# Altium PCB PCB1.PcbDoc (part 1 of 2)
Units mm, origin at the board's own origin, x right, y up, seen from the top; angles counter-clockwise.
Board outline 101.35 x 80.26 mm, 2 copper layers (Top Layer, Bottom Layer); 77 components, 109 nets, 309 pads, 77 vias.
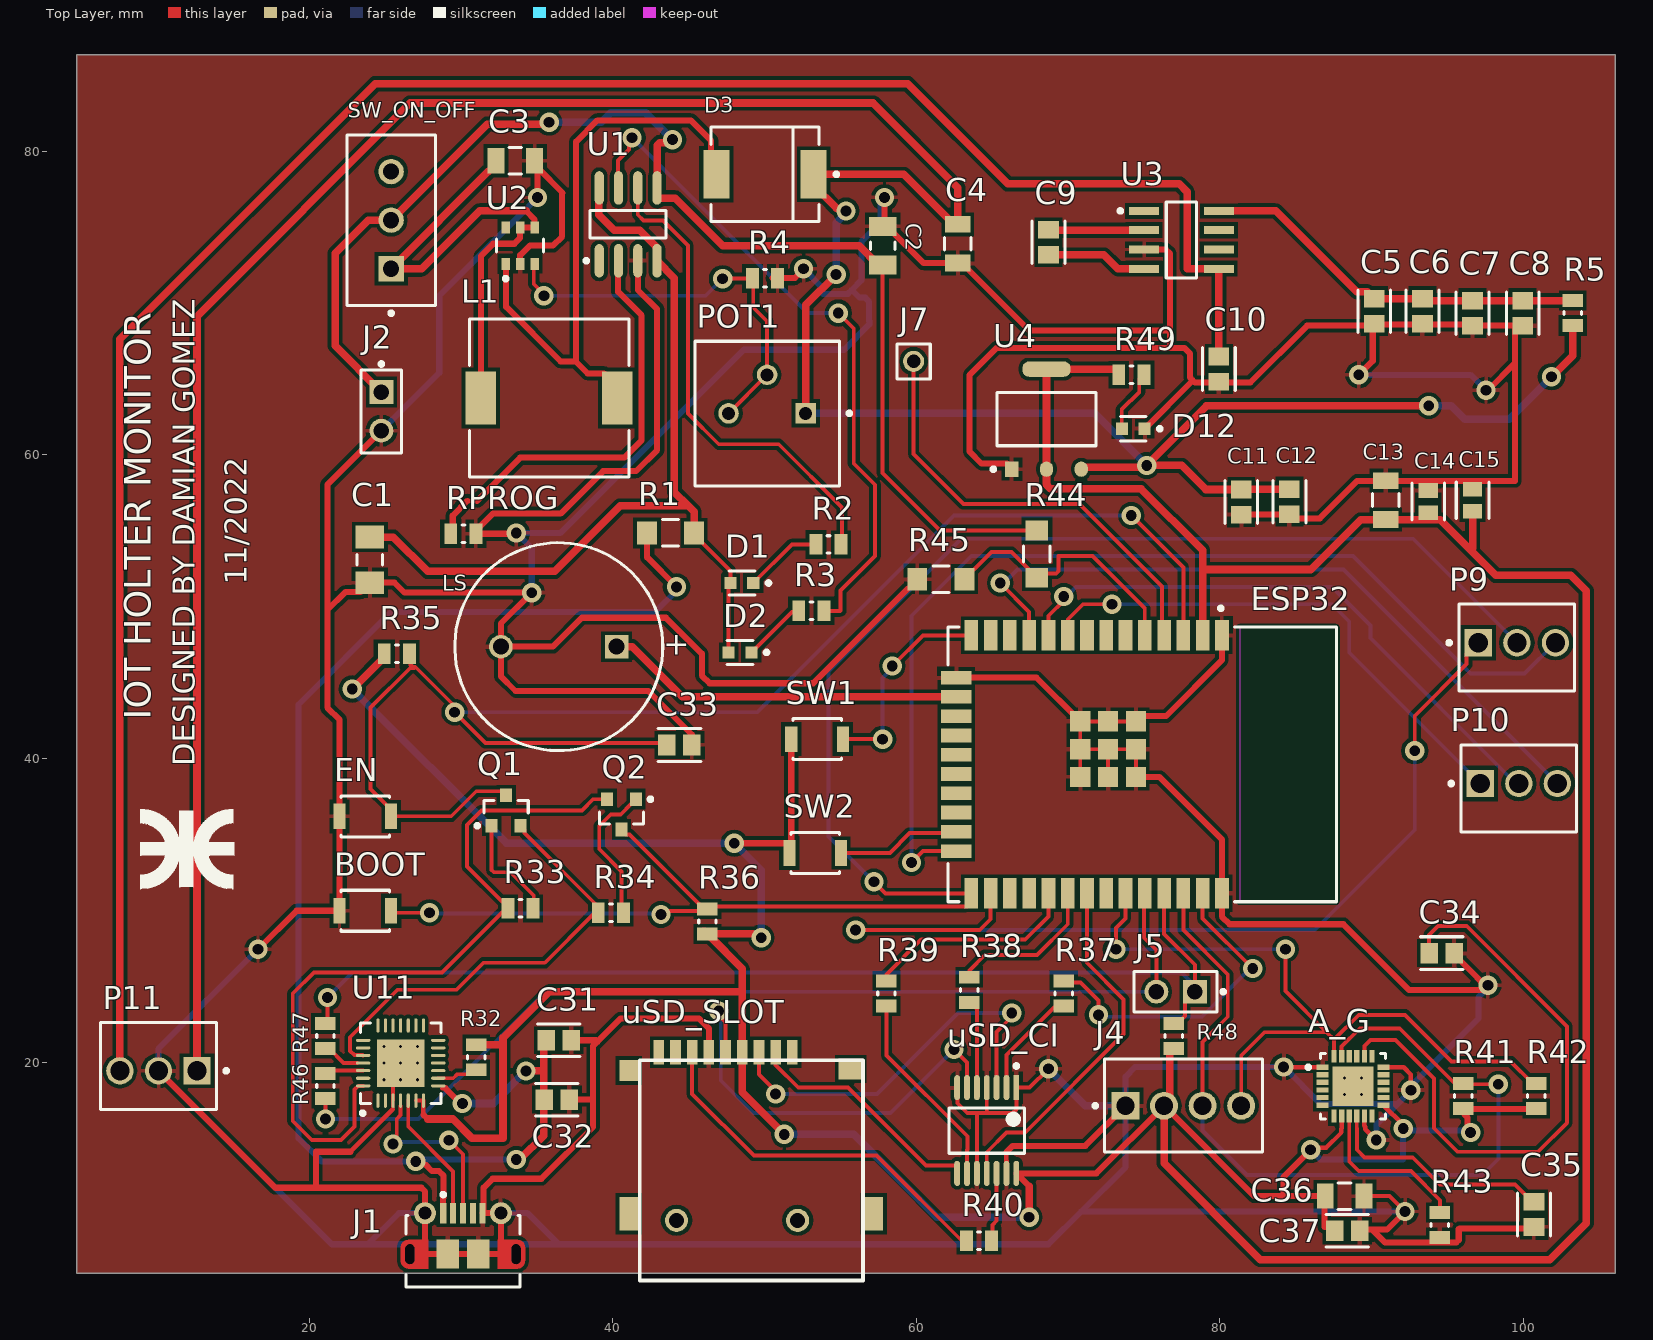
[diagram p0: Top Layer view]
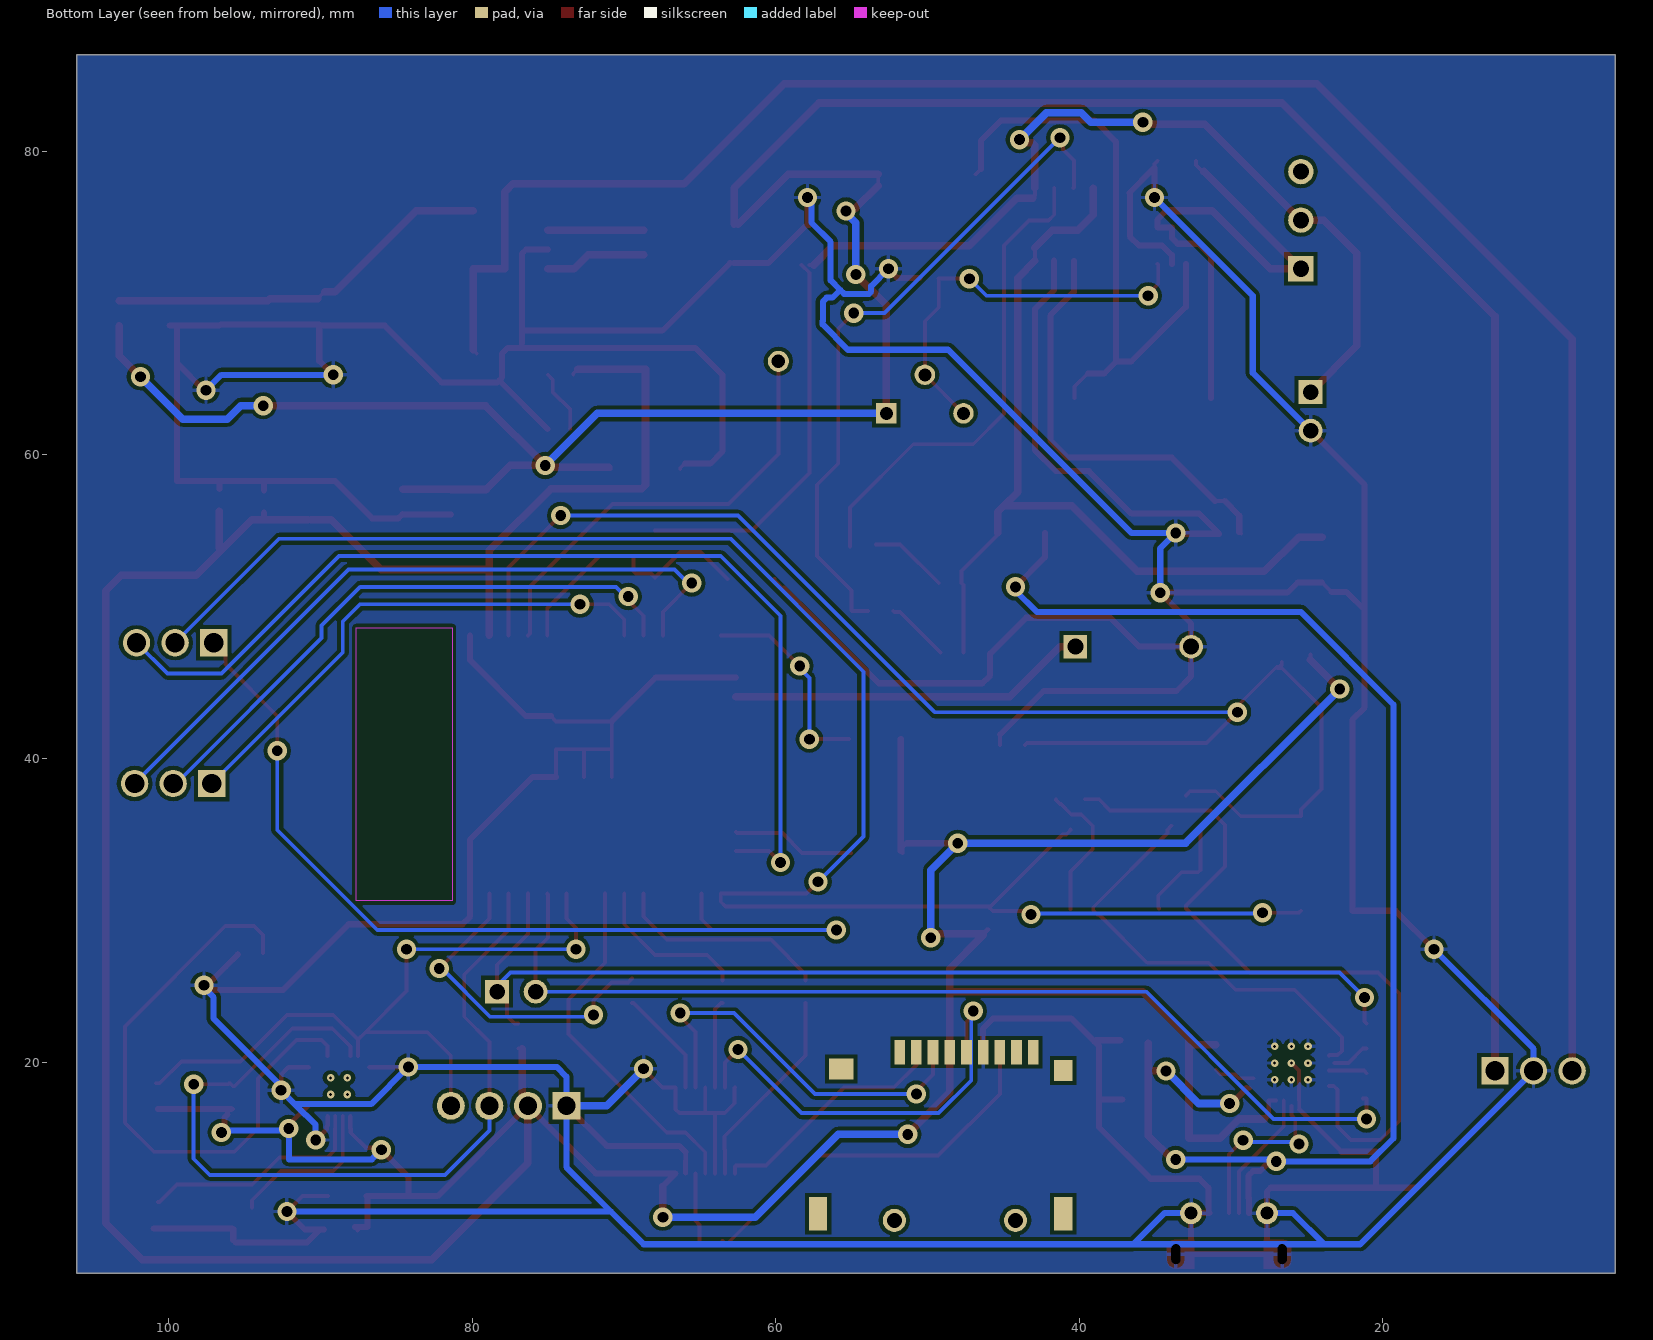
[diagram p1: Bottom Layer view, seen from below]
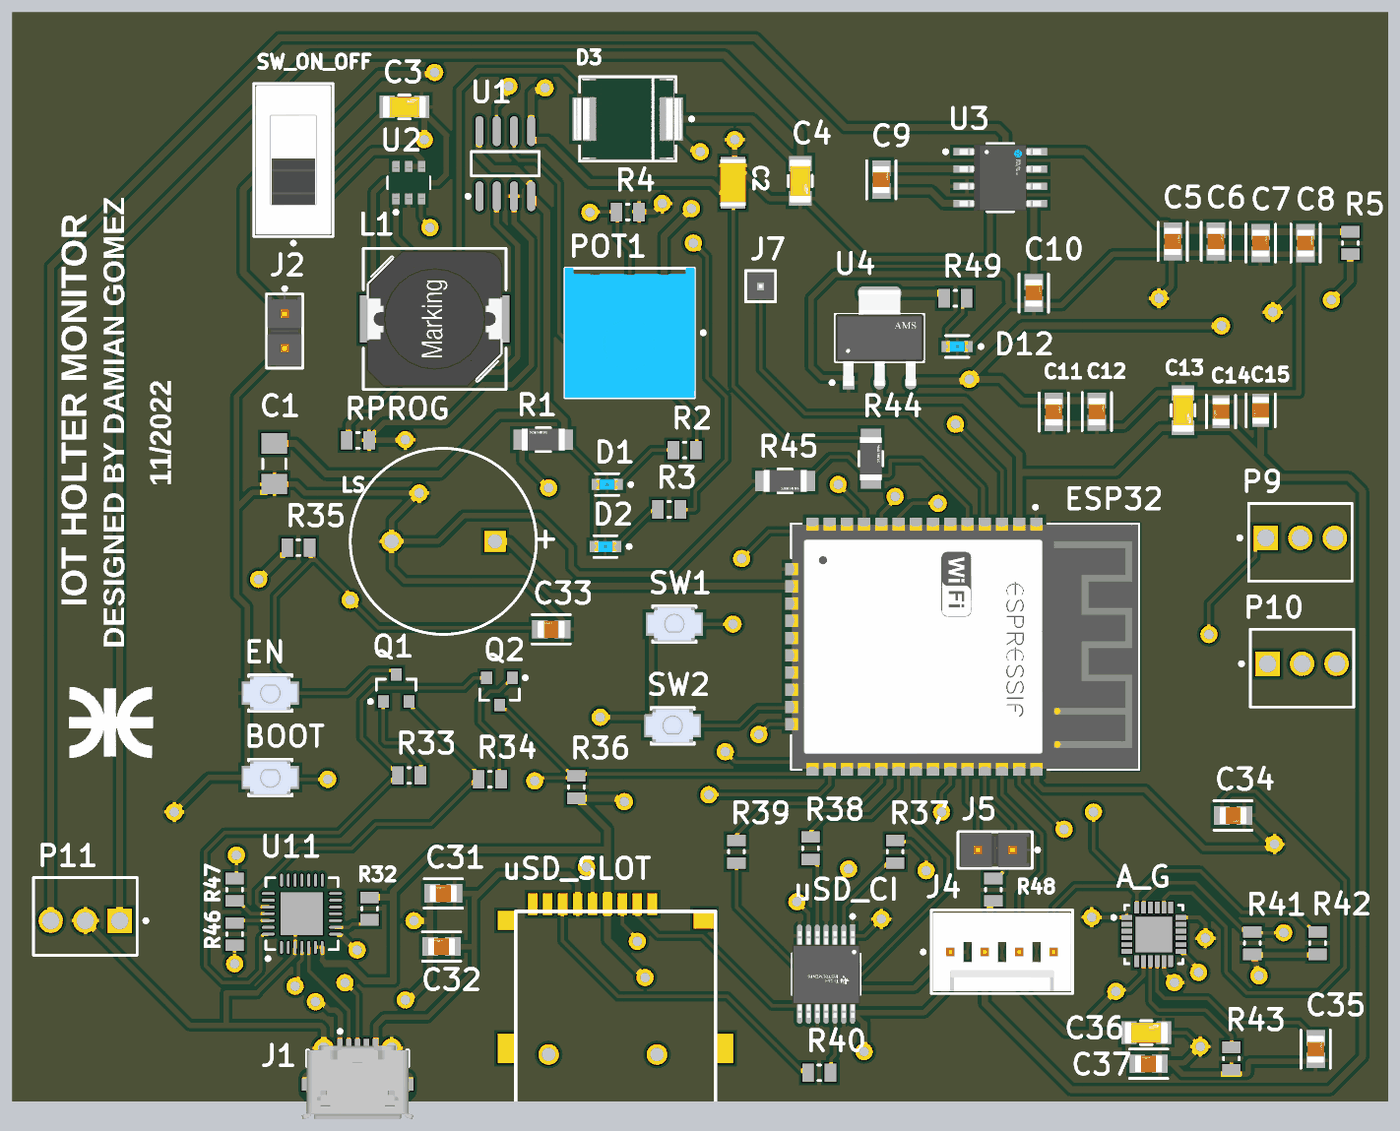
[diagram p3: 3D render of the assembled board from above, using the file's embedded part models]

## Layer stack, top to bottom
Top Solder: solder mask 0.0102, Solder Resist, Dk 3.5
Top Layer: signal copper 0.0356
Dielectric 1: dielectric 0.32, FR-4, Dk 4.8
Bottom Layer: signal copper 0.0356
Bottom Solder: solder mask 0.0102, Solder Resist, Dk 3.5

## Board outline
4.699,6.096 106.045,6.096 106.045,86.36 4.699,86.36

## Design rules (kind name [scope] priority, off if disabled: settings)
Clearance Clearance_1 [All] p1: gap=0.254 ignorepadtopadclearanceinfootprint=FALSE except(0: Arc-Hole Track-Hole SMDPad-Hole THPad-Hole Via-Hole Fill-Hole Poly-Hole Region-Hole Text-Hole)
Clearance GND_Power [InNamedPolygon('POWER-GND')] p2: gap=0.6 ignorepadtopadclearanceinfootprint=FALSE
PolygonConnect [All] p1: connectstyle=Relief reliefconductorwidth=0.254 reliefentries=4 polygonreliefangle="90 Angle" airgapwidth=0.254
RoutingVias [All] p1: holewidth=0.711 width=1.27 viastyle="Through Hole" minholewidth=0.711 minwidth=1.27 maxholewidth=0.711 maxwidth=1.27
SolderMaskExpansion [All] p1: expansion=0.102
Width [All] p1: maxlimit=0.5 minlimit=0.254 preferedwidth=0.254 minimp=50.000000 maximp=50.000000 favimp=50.000000
30 further rules are at their usual default settings.

## Classes and differential pairs
component class Digitalización: A_G BOOT C31 C32 C33 C34 C35 C36 C37 EN J4 J5 J7 LS P9 P10 P98 Q1 Q2 R32 R33 R34 R35 R36 R37 R38 R39 R40 R41 R42 R43 R44 R45 R46 R47 R48 SW1 SW2 U11 uSD_CI uSD_SLOT
component class Alimentacion: 1 C1 C2 C3 C4 C13 C15 D1 D2 D3 D12 J1 J2 L1 P11 POT1 R1 R49 SW_ON_OFF U1 U2 U3 U4

## Components (designator, comment, footprint, x,y, rotation, side; value= is the part's Value field where it differs from the comment)
A_G "MPU-6050" IS-QFN-24_V 88.773,18.415 r0 top
BOOT "B3U-1000P" FP-B3U-1000P-MFG 23.708,29.972 r0 top
C1 "10u" KEMT-1206-2_M 24.003,53.086 r90 top
C2 "10u" CAPC3216X190X55LL30T25 57.785,73.787 r270 top
C3 "100n" FP-CL31-IPC_C 33.583,79.375 r0 top
C4 "100n" FP-CL31-IPC_C 62.738,73.914 r270 top
C5 "GRM2165C1H332JA01D" FP-GRM216-0_1-IPC_B 90.17,69.469 r90 top
C6 "GRM2165C1H332JA01D" FP-GRM216-0_1-IPC_B 93.345,69.469 r90 top
C7 "GRM2165C1H332JA01D" FP-GRM216-0_1-IPC_B 96.647,69.342 r90 top
C8 "GRM2165C1H332JA01D" FP-GRM216-0_1-IPC_B 99.949,69.342 r90 top
C9 "10u" FP-GRM216-0_1-IPC_B 68.707,74.011 r90 top
C10 "GRM2165C1H332JA01D" FP-GRM216-0_1-IPC_B 79.935,65.659 r90 top
C11 "GRM2165C1H332JA01D" FP-GRM216-0_1-IPC_B 81.407,56.896 r90 top
C12 "GRM2165C1H332JA01D" FP-GRM216-0_1-IPC_B 84.582,56.924 r90 top
C13 "10uF" FP-CL31-IPC_C 90.932,57.023 r270 top
C14 "GRM2165C1H332JA01D" FP-GRM216-0_1-IPC_C 93.726,56.931 r270 top
C15 "GRM2165C1H332JA01D" FP-GRM216-0_1-IPC_C 96.647,57.023 r270 top
C31 "GRM2165C1H332JA01D" FP-GRM216-0_1-IPC_B 36.449,21.439 r180 top
C32 "GRM2165C1H332JA01D" FP-GRM216-0_1-IPC_B 36.322,17.526 r180 top
C33 "GRM2165C1H332JA01D" FP-GRM216-0_1-IPC_B 44.397,40.894 r180 top
C34 "GRM2165C1H332JA01D" FP-GRM216-0_1-IPC_B 94.615,27.178 r0 top
C35 "GRM2165C1H332JA01D" FP-GRM216-0_1-IPC_B 100.699,9.968 r90 top
C36 "10uF" FP-CL31-IPC_C 88.223,11.176 r0 top
C37 "GRM2165C1H332JA01D" FP-GRM216-0_1-IPC_B 88.392,8.89 r180 top
D1 "BLUE" FP-LTST-C191TBKT-MFG 48.514,51.562 r180 top
D2 "RED" FP-LTST-C191TBKT-MFG 48.387,46.99 r180 top
D3 "SS34" FP-95402-MFG 50.038,78.486 r180 top
D12 "BLUE" FP-LTST-C191TBKT-MFG 74.295,61.722 r180 top
EN "B3U-1000P" FP-B3U-1000P-MFG 23.708,36.195 r0 top
ESP32 "ESP32-WROOM-32D" FP-ESP32-WROOM-32D-MFG 74.877,39.615 r270 top (schematic designator MD)
J1 "105017-0001" USB-MICRO-B_V 30.139,8.699 r0 top
J2 "TSW-102-07-L-S" FP-TSW-102-07-L-S-MFG 24.765,62.865 r270 top
J4 "22-29-2041" FP-22-29-2041-MFG 77.597,17.145 r180 top
J5 "TSW-102-07-L-S" FP-TSW-102-07-L-S-MFG 77.089,24.638 r180 top
J7 "TMM-101-01-T-S" FP-TMM-101-01-T-S-MFG 59.823,66.167 r0 top
L1 "330u" "WE-PD 1050" 35.814,63.754 r0 top
LS "KPEG242" KINGS-KPEG242-2 36.449,47.371 r180 top
P9 "640456-3" TECO-640456-3 99.568,47.625 r180 top
P10 "640456-3" TECO-640456-3 99.695,38.354 r180 top
P11 "640456-3" TECO-640456-3 10.079,19.426 r0 top
POT1 "3386P-1-104LF" BOUR-3386P 50.177,64.008 r180 top
Q1 "MMBTA42LT1G" ONSC-SOT-23-3-318-08_V 32.979,36.576 r90 top
Q2 "MMBTA42LT1G" ONSC-SOT-23-3-318-08_V 40.587,36.322 r270 top
R1 "0.4" FP-RC3216-MFG 43.815,54.864 r180 top
R2 "1k" RESC2013X50X30LL20T20 54.229,54.102 r180 top
R3 "1k" RESC2013X50X30LL20T20 53.086,49.726 r180 top
R4 "2.2k" RESC2013X50X30LL20T20 50.038,71.628 r180 top
R5 "10k" RESC2013X50X30LL20T20 103.251,69.342 r90 top
R32 "4.7k" RESC2013X50X30LL20T20 31.018,20.32 r270 top
R33 "10k" RESC2013X50X30LL20T20 33.929,30.126 r0 top
R34 "10k" RESC2013X50X30LL20T20 39.878,29.845 r0 top
R35 "10k" RESC2013X50X30LL20T20 25.781,46.904 r0 top
R36 "10k" RESC2013X50X30LL20T20 46.247,29.274 r90 top
R37 "3.3k" RESC2013X50X30LL20T20 69.723,24.511 r270 top
R38 "3.3k" RESC2013X50X30LL20T20 63.5,24.765 r270 top
R39 "3.3k" RESC2013X50X30LL20T20 58.039,24.511 r270 top
R40 "3.3k" RESC2013X50X30LL20T20 64.135,8.228 r0 top
R41 "2.2k" RESC2013X50X30LL20T20 96.031,17.78 r90 top
R42 "2.2k" RESC2013X50X30LL20T20 100.838,17.78 r90 top
R43 "4.7k" RESC2013X50X30LL20T20 94.488,9.271 r90 top
R44 "1M" FP-RC3216-MFG 67.945,53.467 r90 top
R45 "1M" FP-RC3216-MFG 61.621,51.816 r0 top
R46 "1k" RESC2013X50X30LL20T20 21.082,18.439 r270 top
R47 "1k" RESC2013X50X30LL20T20 21.082,21.717 r90 top
R48 "10k" RESC2013X50X30LL20T20 76.962,21.717 r90 top
R49 "1k" RESC2013X50X30LL20T20 74.168,65.278 r0 top
RPROG "1.2k" RESC2013X50X30LL20T20 30.162,54.809 r180 top
SW1 "B3U-1000P" FP-B3U-1000P-MFG 53.467,41.275 r180 top
SW2 "B3U-1000P" FP-B3U-1000P-MFG 53.34,33.782 r180 top
SW_ON_OFF "ON-OFF" FP-1825115-1-MFG 25.408,75.463 r90 top
U1 "TP4056" LT-S8-8_N 41.021,75.19 r90 top
U2 "MT3608" FP-SOT26_SC74R-MFG 33.909,73.787 r90 top
U3 "ICL7660" FP-S8-4-MFG 77.47,74.168 r0 top
U4 "LM1117" FP-AMS1117-IPC_C 68.58,62.357 r90 top
U11 "CP2102" SLAB-QFN-28-3125x3125TP_M 26.035,19.939 r90 top
uSD_CI "SN74LVC125APWR" FP-PW0014A-IPC_B 64.643,15.494 r270 top
uSD_SLOT "uSD_TFP09-2-12BComponent_1" TF09-2-12B 49.137,12.873 r180 top

## Footprints (in the part's own frame and the unit in brackets; to place one, negate y for a bottom-side part, rotate by r counter-clockwise, add the part's x,y. Pads: shape width x height; smd on the part's side, far side on the other; paste and mask are expansions set on the pad)
BOUR-3386P [mm] "THD, 3-Leads, Body 9.53x9.53mm, Pitch 2.54mm"
  rect 1.35x1.35 hole 0.85: 1(-2.54,1.27)
  round 1.35 hole 0.85: 2(0,-1.27) 3(2.54,1.27)
  silkscreen extent -5.54,-3.48 4.76,6.05, body extent -4.79,-3.52 4.79,6.06, height 4.95
CAPC3216X190X55LL30T25 [mm] "Chip Capacitor, 2-Leads, Body 3.5x1.9mm, IPC High Density"
  rect 1.25x1.8 smd: 1(-1.275,0) 2(1.275,0)
  silkscreen extent -0.25,-0.8 0.25,0.8, body extent -1.75,-0.95 1.75,0.95, height 1.9
FP-22-29-2041-MFG [mm]
  rect 1.84x1.84 hole 1.19 paste-1000 mask+0: 1(3.81,0.02)
  round 1.84 hole 1.19 paste-1000 mask+0: 2(1.27,0.02) 3(-1.27,0.02) 4(-3.81,0.02)
  silkscreen extent -5.21,-3.08 5.93,3.08, body extent -5.31,-3.18 5.31,3.18, height 0.25
FP-95402-MFG [mm]
  rect 1.72x3.2 smd paste+0 mask+0: 1(-3.205,0) 2(3.205,0)
  silkscreen extent -4.83,-3.11 3.55,3.11, body extent -4.17,-3.21 4.17,3.21, height 0.25
FP-1825115-1-MFG [mil]
  rect 65.62x65.62 hole 42 paste-39370.1 mask+0: 1(-126,0)
  round 65.62 hole 42 paste-39370.1 mask+0: 2(0,0) 3(126,0)
  silkscreen extent -246,-115 222,115, body extent -225,-119 225,119, height 10
FP-AMS1117-IPC_C [mm]
  rect 1.004x0.872 smd paste+0 mask+0: 1(-3.295,2.29)
  rrect100% 1.004x0.872 smd paste+0 mask+0: 2(-3.295,0) 3(-3.295,-2.29)
  rrect87% 1.004x3.182 smd paste+0 mask+0: 4(3.295,0)
  silkscreen extent -3.42,-3.25 1.75,3.62, body extent -3.9,-3.35 3.9,3.35, height 0.25
FP-B3U-1000P-MFG [mm]
  rect 0.8x1.7 smd paste+0 mask+0: 1(-1.7,0) 2(1.7,0)
  silkscreen extent -1.6,-1.35 1.6,1.35, body extent -2.2,-1.45 2.2,1.45, height 0.25
FP-CL31-IPC_C [mm]
  rect 1.105x1.658 smd paste+0 mask+0: 1(-1.276,0) 2(1.276,0)
  silkscreen extent -0.42,-0.87 0.42,0.87, body extent -1.93,-0.97 1.93,0.97, height 0.25
FP-ESP32-WROOM-32D-MFG [mm]
  rect 2x0.9 smd paste+0 mask+0: 1(-8.5,5.26) 2(-8.5,3.99) 3(-8.5,2.72) 4(-8.5,1.45) 5(-8.5,0.18) 6(-8.5,-1.09) 7(-8.5,-2.36) 8(-8.5,-3.63) 9(-8.5,-4.9) 10(-8.5,-6.17) 11(-8.5,-7.44) 12(-8.5,-8.71) 13(-8.5,-9.98) 14(-8.5,-11.25) 25(8.5,-11.25) 26(8.5,-9.98) 27(8.5,-8.71) 28(8.5,-7.44) 29(8.5,-6.17) 30(8.5,-4.9) 31(8.5,-3.63) 32(8.5,-2.36) 33(8.5,-1.09) 34(8.5,0.18) 35(8.5,1.45) 36(8.5,2.72) 37(8.5,3.99) 38(8.5,5.26)
  rect 0.9x2 smd paste+0 mask+0: 15(-5.715,-12.25) 16(-4.445,-12.25) 17(-3.175,-12.25) 18(-1.905,-12.25) 19(-0.635,-12.25) 20(0.635,-12.25) 21(1.905,-12.25) 22(3.175,-12.25) 23(4.445,-12.25) 24(5.715,-12.25)
  rect 1.33x1.33 smd paste+0 mask+0: 39(-2.835,-0.405) 39(-2.835,-2.24) 39(-2.835,-4.075) 39(-1,-0.405) 39(-1,-2.24) 39(-1,-4.075) 39(0.835,-0.405) 39(0.835,-2.24) 39(0.835,-4.075)
  Keep-Out Layer region: -9,6.45 9,6.45 9,12.75 -9,12.75
  Keep-Out Layer region: -9,6.45 9,6.45 9,12.75 -9,12.75
  silkscreen extent -10.4,-12.8 9.05,12.8, body extent -9.6,-13.35 9.6,12.9, height 0.25
FP-GRM216-0_1-IPC_B [mm]
  rect 1.158x1.361 smd paste+0 mask+0: 1(-0.827,0) 2(0.827,0)
  silkscreen extent -1.41,-1.08 1.41,1.08, body extent -1.66,-0.93 1.66,0.93, height 0.25
FP-GRM216-0_1-IPC_C [mm]
  rect 0.958x1.261 smd paste+0 mask+0: 1(-0.727,0) 2(0.727,0)
  silkscreen extent -1.21,-1.07 1.21,1.07, body extent -1.31,-0.77 1.31,0.77, height 0.25
FP-LTST-C191TBKT-MFG [mm]
  rect 0.8x0.8 smd paste+0 mask+0: 1(-0.75,0) 2(0.75,0)
  silkscreen extent -1.88,-0.8 0.85,0.8, body extent -1.25,-0.55 1.25,0.55, height 0.25
FP-PW0014A-IPC_B [mm]
  rect 1.655x0.381 smd paste+0 mask+0: 1(-2.825,1.95)
  rrect100% 1.655x0.381 smd paste+0 mask+0: 2(-2.825,1.3) 3(-2.825,0.65) 4(-2.825,0) 5(-2.825,-0.65) 6(-2.825,-1.3) 7(-2.825,-1.95) 8(2.825,-1.95) 9(2.825,-1.3) 10(2.825,-0.65) 11(2.825,0) 12(2.825,0.65) 13(2.825,1.3) 14(2.825,1.95)
  silkscreen extent -4.37,-2.5 1.5,2.5, body extent -3.9,-2.75 3.9,2.75, height 0.25
FP-RC3216-MFG [mm]
  rect 1.3x1.5 smd paste+0 mask+0: 1(-1.55,0) 2(1.55,0)
  silkscreen extent -0.53,-0.87 0.53,0.87, body extent -2.3,-0.97 2.3,0.97, height 0.25
FP-S8-4-MFG [mm]
  rect 1.98x0.53 smd paste+0 mask+0: 1(-2.465,1.905) 2(-2.465,0.635) 3(-2.465,-0.635) 4(-2.465,-1.905) 5(2.465,-1.905) 6(2.465,-0.635) 7(2.465,0.635) 8(2.465,1.905)
  silkscreen extent -4.15,-2.5 1,2.5, body extent -3.55,-2.75 3.55,2.75, height 0.25
FP-SOT26_SC74R-MFG [mm]
  rect 0.8x0.55 smd paste+0 mask+0: 1(-1.2,0.95) 2(-1.2,0) 3(-1.2,-0.95) 4(1.2,-0.95) 5(1.2,0) 6(1.2,0.95)
  silkscreen extent -2.3,-1.55 0.43,1.55, body extent -1.7,-1.65 1.7,1.65, height 0.25
FP-TMM-101-01-T-S-MFG [mm]
  round 1.39 hole 0.89 paste-1000 mask+0: 1(0,0)
  silkscreen extent -1.1,-1.15 1.1,1.15, body extent -1.1,-1.15 1.1,1.15, height 0.25
FP-TSW-102-07-L-S-MFG [mm]
  rect 1.57x1.57 hole 1.02 paste-1000 mask+0: 1(-1.27,0)
  round 1.57 hole 1.02 paste-1000 mask+0: 2(1.27,0)
  silkscreen extent -3.25,-1.34 2.73,1.34, body extent -2.83,-1.44 2.83,1.44, height 0.25
IS-QFN-24_V [mm] "QFN, 24-Leads, Body 4x4mm, Pitch 0.5mm, Thermal Pad 2.7x2.6mm"
  rect 0.8x0.35 smd: 1(-2,1.25) 2(-2,0.75) 3(-2,0.25) 4(-2,-0.25) 5(-2,-0.75) 6(-2,-1.25) 13(2,-1.25) 14(2,-0.75) 15(2,-0.25) 16(2,0.25) 17(2,0.75) 18(2,1.25)
  rect 0.35x0.85 smd mask+0.102: 7(-1.25,-1.975) 8(-0.75,-1.975) 9(-0.25,-1.975) 10(0.25,-1.975) 11(0.75,-1.975) 12(1.25,-1.975) 19(1.25,1.975) 20(0.75,1.975) 21(0.25,1.975) 22(-0.25,1.975) 23(-0.75,1.975) 24(-1.25,1.975)
  rect 2.7x2.6 smd: 25(0,0)
  silkscreen extent -3.07,-2.15 2.15,2.15, body extent -2,-2 2,2, height 0.95
KEMT-1206-2_M [mm] "SMD, 2-Leads, Body 3.4x1.8mm, IPC Low Density"
  rect 1.5x1.9 smd: 1(-1.5,0) 2(1.5,0)
  silkscreen extent -0.35,-0.85 0.35,0.85, body extent -1.7,-0.9 1.7,0.9, height 0.88
KINGS-KPEG242-2 [mm] "THD, 2-Leads, Dia 13.7mm, Pitch 7.62mm"
  rect 1.55x1.55 hole 1.05: 1(-3.81,0)
  round 1.55 hole 1.05: 2(3.81,0)
  silkscreen extent -6.85,-6.85 6.85,6.85, body extent -6.85,-6.85 6.85,6.85, height 7.6
LT-S8-8_N [mm] "SOIC, 8-Leads, Body 5x4mm, Pitch 1.27mm, IPC Medium Density"
  oval 2.2x0.6 smd: 1(-2.4,1.905) 2(-2.4,0.635) 3(-2.4,-0.635) 4(-2.4,-1.905) 5(2.4,-1.905) 6(2.4,-0.635) 7(2.4,0.635) 8(2.4,1.905)
  silkscreen extent -2.52,-2.5 0.9,2.88, body extent -2,-2.5 2,2.5, height 1.76
ONSC-SOT-23-3-318-08_V [mm] "SOT23, 3-Leads, Body 2.92x1.3mm, Pitch 0.95mm"
  rect 0.9x0.8 smd: 1(-1,0.95) 2(-1,-0.95) 3(1,0)
  silkscreen extent -1.12,-1.46 0.65,2.02, body extent -0.65,-1.46 0.65,1.46, height 1.11
RESC2013X50X30LL20T20 [mm] "Chip Resistor, 2-Leads, Body 2.00x1.25mm, IPC High Density"
  rect 0.85x1.35 smd: 1(-0.825,0) 2(0.825,0)
  silkscreen extent -0.1,-0.58 0.1,0.58, body extent -1.1,-0.72 1.1,0.72, height 0.5
SLAB-QFN-28-3125x3125TP_M [mm] "QFN, 28-Leads, Body 5x5mm, Pitch 0.5mm, Thermal Pad 3.13x3.13mm, IPC Low Density"
  oval 0.95x0.2 smd: 1(-2.475,1.5) 2(-2.475,1) 3(-2.475,0.5) 4(-2.475,0) 5(-2.475,-0.5) 6(-2.475,-1) 7(-2.475,-1.5) 15(2.475,-1.5) 16(2.475,-1) 17(2.475,-0.5) 18(2.475,0) 19(2.475,0.5) 20(2.475,1) 21(2.475,1.5)
  oval 0.2x0.95 smd: 8(-1.5,-2.475) 9(-1,-2.475) 10(-0.5,-2.475) 11(0,-2.475) 12(0.5,-2.475) 13(1,-2.475) 14(1.5,-2.475) 22(1.5,2.475) 23(1,2.475) 24(0.5,2.475) 25(0,2.475) 26(-0.5,2.475) 27(-1,2.475) 28(-1.5,2.475)
  rect 3.13x3.13 smd: 29(0,0)
  silkscreen extent -3.42,-2.65 2.65,2.65, body extent -2.5,-2.5 2.5,2.5, height 1
TECO-640456-3 [mm] "Through Hole, 3-Leads, Body 7.62x5.72mm, Pitch 2.54mm"
  rect 1.8x1.8 hole 1.27 paste+0: 1(2.54,0)
  round 1.8 hole 1.27 paste+0: 2(0,0) 3(-2.54,0)
  silkscreen extent -3.81,-2.54 4.59,3.18, body extent -3.81,-2.54 3.81,3.18, height 10.03
TF09-2-12B [mm]
  rect 0.7x1.6 all layers, no hole: 1(-2.7,-7.775) 2(-1.6,-7.775) 3(-0.5,-7.775) 4(0.6,-7.775) 5(1.7,-7.775) 6(2.8,-7.775) 7(3.9,-7.775) 8(5,-7.775) 9(6.1,-7.775)
  rect 1.2x2.2 all layers, no hole: GND(-8.075,2.85) GND(8.075,2.85)
  rect 1.6x1.4 all layers, no hole: GND(-6.55,-6.675)
  rect 1.2x1.4 all layers, no hole: GND(8.075,-6.575)
  round 1.524 hole 1 paste+0: ""(-3.05,3.3) ""(4.93,3.3)
  silkscreen extent -7.35,-7.25 7.35,7.25
USB-MICRO-B_V [mm] "USB, MICRO B, Body 7.491x4.695 mm, Pitch 0.65 mm"
  rect 0.4x1.35 smd: 1(-1.3,1.35) 2(-0.65,1.35) 3(0,1.35) 4(0.65,1.35) 5(1.3,1.35)
  round 1.45 hole 0.85: 6(-2.5,1.35) 7(2.5,1.35)
  rrect50% 0x0 hole 0.6 slot 1.3 at 90 deg: 8(-3.5,-1.35) 11(3.5,-1.35)
  rect 1.5x1.9 smd: 9(-1,-1.35) 10(1,-1.35)
  Top Layer circle w0.5: c3.6,-1.8 r0.25
  Top Layer circle w0.5: c-3.6,-1.8 r0.25
  Top Layer region: -2.3,-2.3 -2.3,-0.4 -3.6,-0.4 -3.6,-2.3
  Top Layer region: 2.3,-0.4 2.3,-2.3 3.6,-2.3 3.6,-0.4
  Top Layer region: 3.6,-0.9 3.6,-1.8 4.1,-1.8 4.1,-0.9
  Top Layer region: -3.6,-1.8 -3.6,-0.9 -4.1,-0.9 -4.1,-1.8